# Altium PCB qfc.PcbDoc (part 5 of 13) (continued)
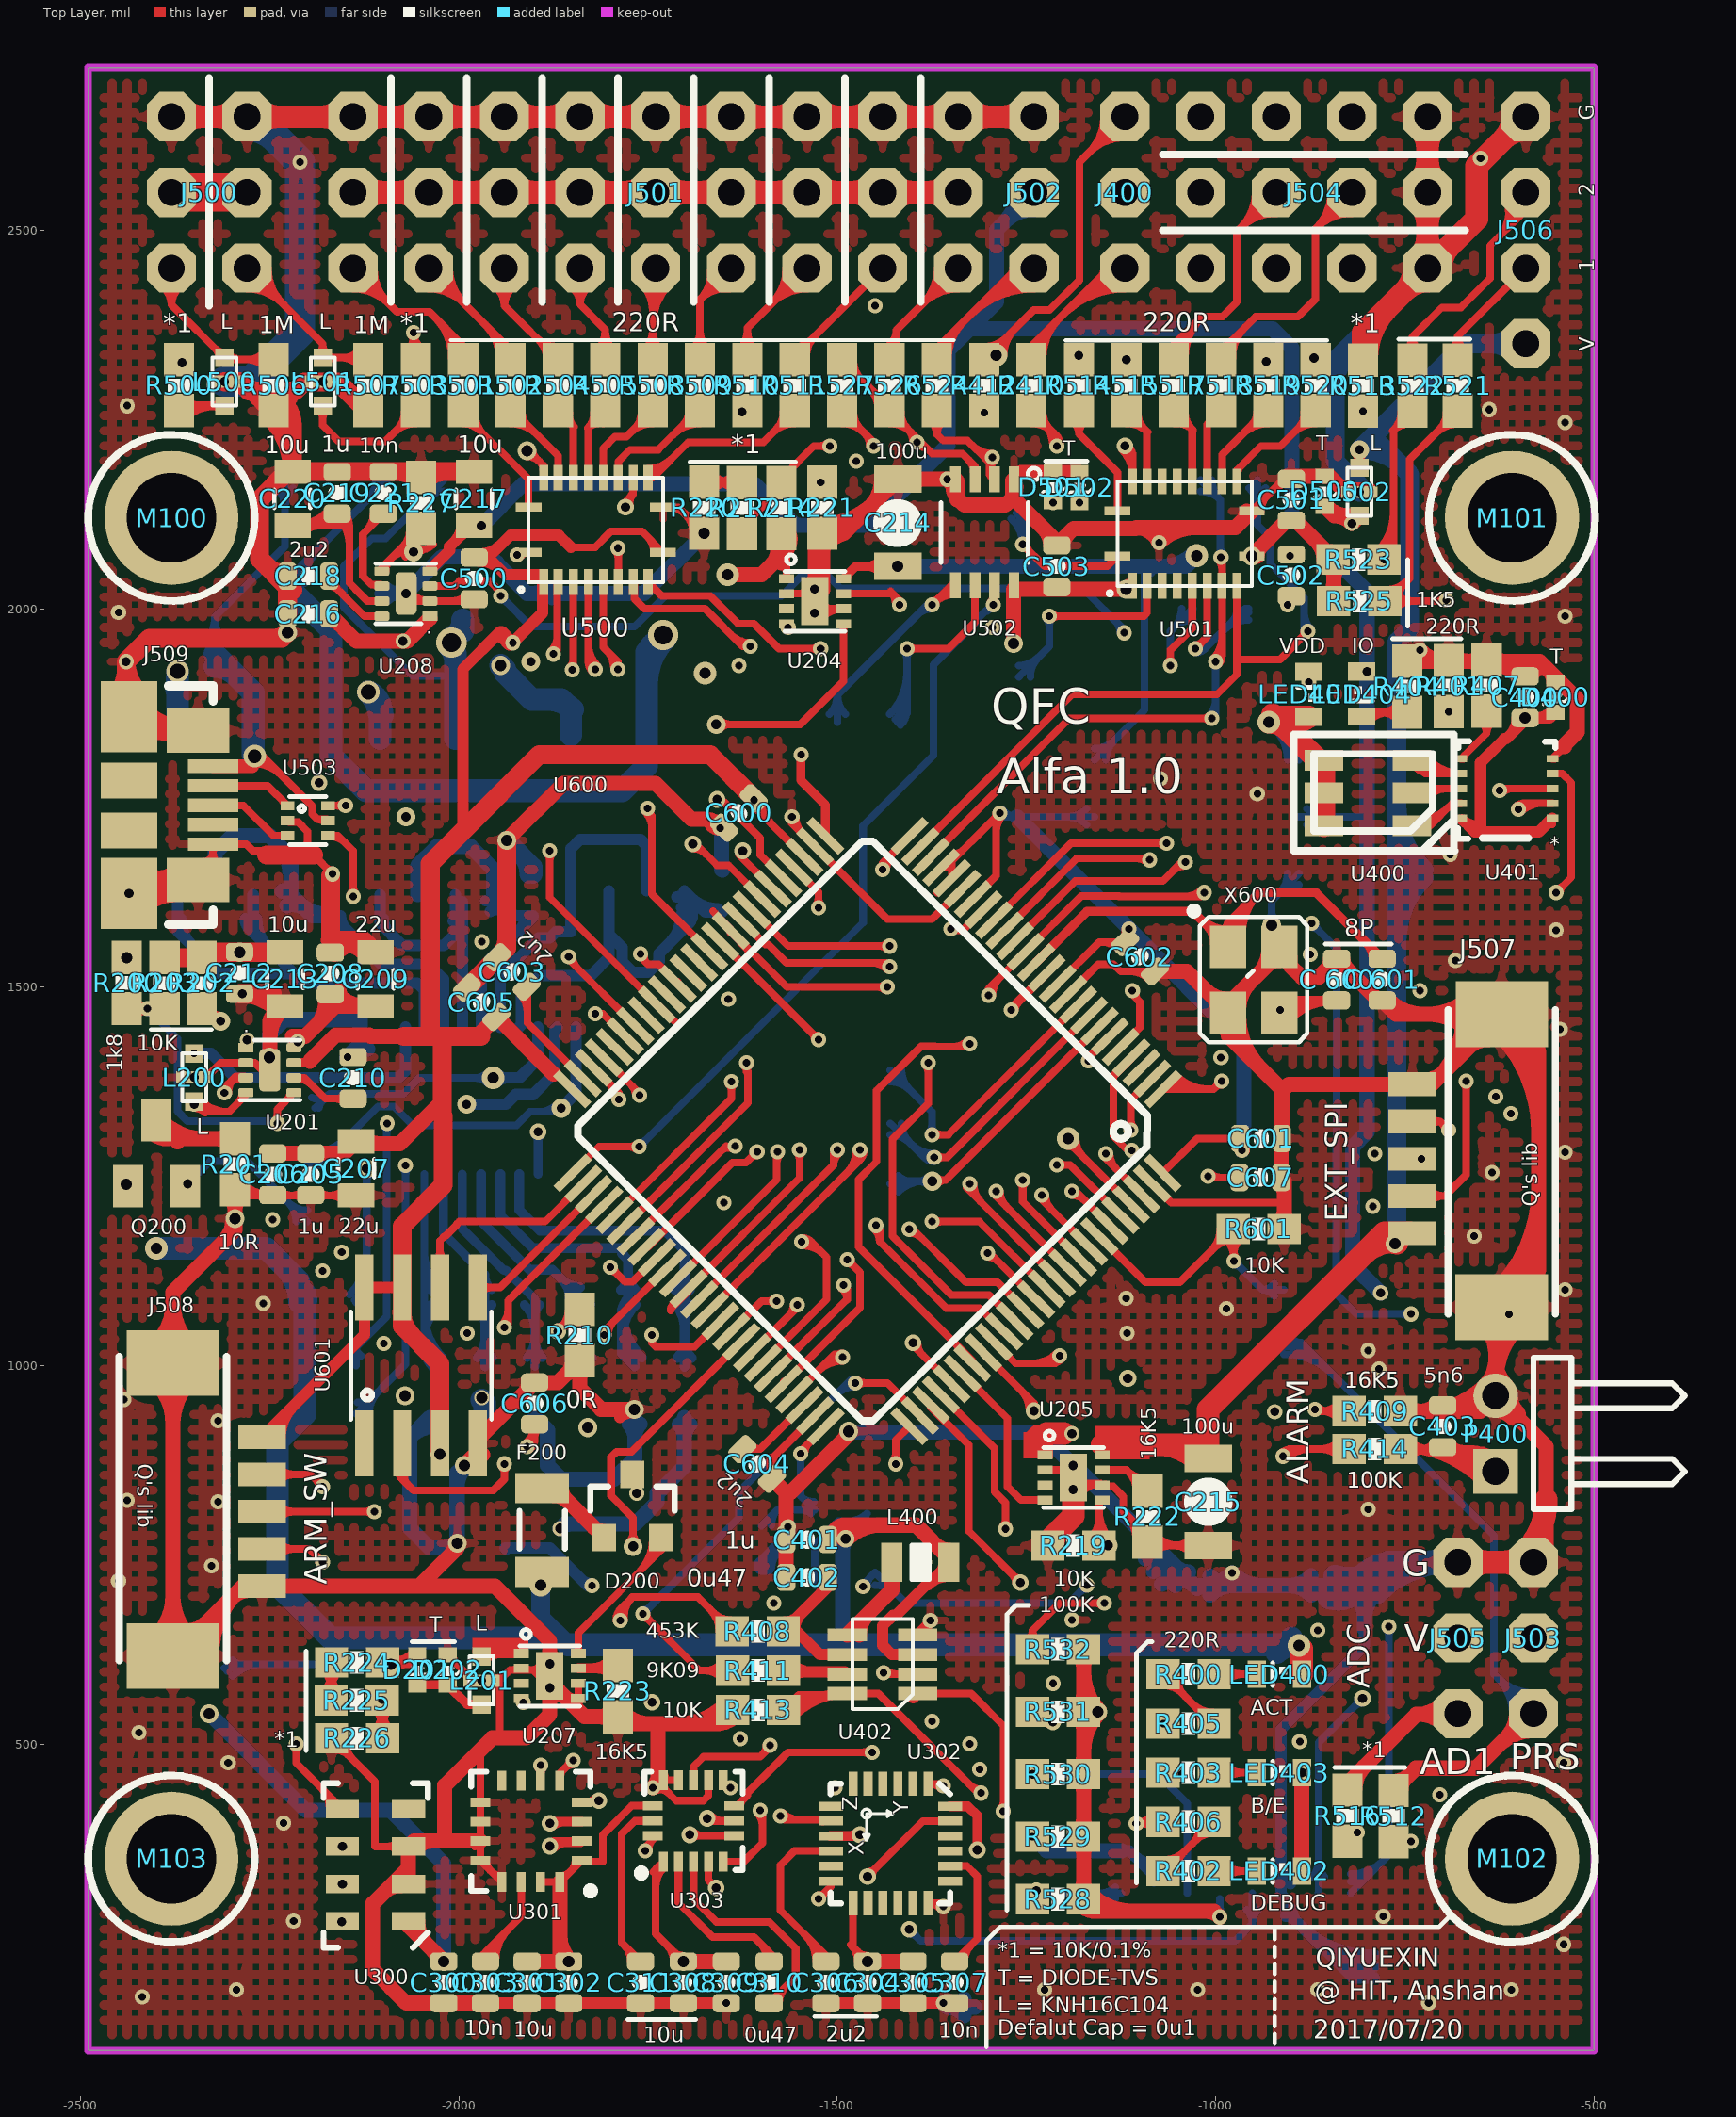
[diagram p0: Top Layer view]
## Nets (pads, with @x,y where several pads share a name; then routed paths per layer and width w, separated by ;. In a path a pad name is that pad's centre, name@x,y a point inside that pad or via, vN(x,y) a via of type N, cw(c..) or ccw(c..) an arc to the next point about the centre after c; other vN are vias at no path point) (continued)
cw(c-916,1512.56) X600.4@-916,1535.31 ; X600.4@-932.08,1528.65 cw(c-916,1512.56) X600.4@-916,1535.31 ; v3(-926,1582) ccw(c-915.3,1582) X600.4@-915.6,1571.3 ; v3(-926,1582) ccw(c-915.3,1582) X600.4@-915.6,1571.3 ; v3(-926,1582) ccw(c-915.3,1582) X600.4@-915.6,1571.3 ; v3(-926,1582) ccw(c-915.3,1582) X600.4@-915.6,1571.3 ; v3(-926,1582) -926,1563.31 X600.4@-916,1553.31 ; R601.1@-916.59,1187.39 ccw(c-933.66,1204.46) -909.52,1204.46 ; R601.1@-916.59,1187.39 ccw(c-933.66,1204.46) -909.52,1204.46 ; R601.1@-916.59,1187.39 ccw(c-933.66,1204.46) -909.52,1204.46 ; R601.1@-916.59,1187.39 ccw(c-933.66,1204.46) -909.52,1204.46 ; C607.P$1@-914.84,1240.9 cw(c-927.68,1228.06) -909.52,1228.06 ; C607.P$1@-914.84,1240.9 cw(c-927.68,1228.06) -909.52,1228.06 ; C607.P$1@-914.84,1240.9 cw(c-927.68,1228.06) -909.52,1228.06 ; C607.P$1@-914.84,1240.9 cw(c-927.68,1228.06) -909.52,1228.06 ; -912.44,1362.44 -903.3,1371.57 J507.5@-740,1371.57 -714.41,1371.57 J507.GND@-621.89,1464.09 ; -909.52,1204.46 ccw(c-885.38,1204.46) R601.1@-902.45,1187.39 ; -909.52,1204.46 ccw(c-885.38,1204.46) R601.1@-902.45,1187.39 ; -909.52,1204.46 ccw(c-885.38,1204.46) R601.1@-902.45,1187.39 ; -909.52,1204.46 ccw(c-885.38,1204.46) R601.1@-902.45,1187.39 ; C501.P$2@-892.59,2170.15 cw(c-880.87,2158.43) -880.87,2175 ; C501.P$2@-892.59,2170.15 cw(c-880.87,2158.43) -880.87,2175 ; C501.P$2@-892.59,2170.15 cw(c-880.87,2158.43) -880.87,2175 ; C501.P$2@-892.59,2170.15 cw(c-880.87,2158.43) -880.87,2175 ; -854.18,1522.63 ccw(c-869.11,1537.56) -848,1537.56 ; -854.18,1522.63 ccw(c-869.11,1537.56) -848,1537.56 ; -854.18,1522.63 ccw(c-869.11,1537.56) -848,1537.56 ; -854.18,1522.63 ccw(c-869.11,1537.56) -848,1537.56 ; -832,1537.56 ccw(c-812.69,1537.56) -826.34,1523.9 ; -832,1537.56 ccw(c-812.69,1537.56) -826.34,1523.9 ; -832,1537.56 ccw(c-812.69,1537.56) -826.34,1523.9 ; -832,1537.56 ccw(c-812.69,1537.56) -826.34,1523.9 ; -772.59,1483.86 ccw(c-724.88,1531.56) -724.88,1464.09 ; -772.59,1483.86 ccw(c-724.88,1531.56) -724.88,1464.09 ; -772.59,1483.86 ccw(c-724.88,1531.56) -724.88,1464.09 ; -772.59,1483.86 ccw(c-724.88,1531.56) -724.88,1464.09 ; -772,1482.44 ccw(c-752.69,1482.44) -766.34,1468.78 ; -772,1482.44 ccw(c-752.69,1482.44) -766.34,1468.78 ; -772,1482.44 ccw(c-752.69,1482.44) -766.34,1468.78 ; -772,1482.44 ccw(c-752.69,1482.44) -766.34,1468.78 ; R404.1@-747,1930.46 ccw(c-747,1947.67) v1(-730,1945) ; R404.1@-747,1930.46 ccw(c-747,1947.67) v1(-730,1945) ; R404.1@-747,1930.46 ccw(c-747,1947.67) v1(-730,1945) ; R404.1@-747,1930.46 ccw(c-747,1947.67) v1(-730,1945) ; R409.2@-746.93,932.61 cw(c-729.86,915.54) -729.86,939.69 ; R409.2@-746.93,932.61 cw(c-729.86,915.54) -729.86,939.69 ; R409.2@-746.93,932.61 cw(c-729.86,915.54) -729.86,939.69 ; R409.2@-746.93,932.61 cw(c-729.86,915.54) -729.86,939.69 ; R409.2@-746.93,946.76 ccw(c-729.86,963.83) -729.86,939.69 ; R409.2@-746.93,946.76 ccw(c-729.86,963.83) -729.86,939.69 ; R409.2@-746.93,946.76 ccw(c-729.86,963.83) -729.86,939.69 ; R409.2@-746.93,946.76 ccw(c-729.86,963.83) -729.86,939.69 ; R404.1@-739.93,1923.39 cw(c-722.86,1906.32) -722.86,1930.46 ; R404.1@-739.93,1923.39 cw(c-722.86,1906.32) -722.86,1930.46 ; R404.1@-739.93,1923.39 cw(c-722.86,1906.32) -722.86,1930.46 ; R404.1@-739.93,1923.39 cw(c-722.86,1906.32) -722.86,1930.46 ; R404.1@-739.93,1937.53 ccw(c-722.86,1954.61) -722.86,1930.46 ; R404.1@-739.93,1937.53 ccw(c-722.86,1954.61) -722.86,1930.46 ; R404.1@-739.93,1937.53 ccw(c-722.86,1954.61) -722.86,1930.46 ; R404.1@-739.93,1937.53 ccw(c-722.86,1954.61) -722.86,1930.46 ; v1(-730,1945) ccw(c-694.9,1980.1) R401.1@-694.9,1930.46 ; v1(-730,1945) ccw(c-694.9,1980.1) R401.1@-694.9,1930.46 ; v1(-730,1945) ccw(c-694.9,1980.1) R401.1@-694.9,1930.46 ; v1(-730,1945) ccw(c-694.9,1980.1) R401.1@-694.9,1930.46 ; -729.08,939.69 ccw(c-729.08,970.33) C403.P$2@-707.41,948.66 ; -729.08,939.69 ccw(c-729.08,970.33) C403.P$2@-707.41,948.66 ; -729.08,939.69 ccw(c-729.08,970.33) C403.P$2@-707.41,948.66 ; -729.08,939.69 ccw(c-729.08,970.33) C403.P$2@-707.41,948.66 ; -726.19,939.69 ccw(c-726.19,1056.19) P400.2@-643.81,973.81 ; -726.19,939.69 ccw(c-726.19,1056.19) P400.2@-643.81,973.81 ; -726.19,939.69 ccw(c-726.19,1056.19) P400.2@-643.81,973.81 ; -726.19,939.69 ccw(c-726.19,1056.19) P400.2@-643.81,973.81 ; J507.5@-724.25,1377.32 ccw(c-724.25,1414.96) -697.64,1388.35 ; J507.5@-724.25,1377.32 ccw(c-724.25,1414.96) -697.64,1388.35 ; J507.5@-724.25,1377.32 ccw(c-724.25,1414.96) -697.64,1388.35 ; J507.5@-724.25,1377.32 ccw(c-724.25,1414.96) -697.64,1388.35 ; -720.02,1464.09 cw(c-720.02,1383.68) J507.GND@-663.16,1440.54 ; -720.02,1464.09 ccw(c-720.02,1544.51) J507.GND@-663.16,1487.65 ; -720.02,1464.09 cw(c-720.02,1383.68) J507.GND@-663.16,1440.54 ; -720.02,1464.09 ccw(c-720.02,1544.51) J507.GND@-663.16,1487.65 ; -720.02,1464.09 cw(c-720.02,1383.68) J507.GND@-663.16,1440.54 ; -720.02,1464.09 ccw(c-720.02,1544.51) J507.GND@-663.16,1487.65 ; -720.02,1464.09 cw(c-720.02,1383.68) J507.GND@-663.16,1440.54 ; -720.02,1464.09 ccw(c-720.02,1544.51) J507.GND@-663.16,1487.65 ; -718.56,1930.46 ccw(c-718.56,1958.02) R401.1@-699.07,1938.53 ; -718.56,1930.46 ccw(c-718.56,1958.02) R401.1@-699.07,1938.53 ; -718.56,1930.46 ccw(c-718.56,1958.02) R401.1@-699.07,1938.53 ; -718.56,1930.46 ccw(c-718.56,1958.02) R401.1@-699.07,1938.53 ; -713.73,1930.46 cw(c-713.73,1909.74) R401.1@-699.07,1924.39 ; -713.73,1930.46 cw(c-713.73,1909.74) R401.1@-699.07,1924.39 ; -713.73,1930.46 cw(c-713.73,1909.74) R401.1@-699.07,1924.39 ; -713.73,1930.46 cw(c-713.73,1909.74) R401.1@-699.07,1924.39 ; -705.55,1380.44 ccw(c-784.52,1459.41) J507.GND@-672.9,1463.02 ; -705.55,1380.44 ccw(c-784.52,1459.41) J507.GND@-672.9,1463.02 ; -705.55,1380.44 ccw(c-784.52,1459.41) J507.GND@-672.9,1463.02 ; -705.55,1380.44 ccw(c-784.52,1459.41) J507.GND@-672.9,1463.02 ; C403.P$2@-692.58,948.66 ccw(c-670.92,970.33) -670.92,939.69 ; C403.P$2@-692.58,948.66 ccw(c-670.92,970.33) -670.92,939.69 ; C403.P$2@-692.58,948.66 ccw(c-670.92,970.33) -670.92,939.69 ; C403.P$2@-692.58,948.66 ccw(c-670.92,970.33) -670.92,939.69 ; R401.1@-684.93,1924.39 cw(c-670.27,1909.74) -670.27,1930.46 ; R401.1@-684.93,1924.39 cw(c-670.27,1909.74) -670.27,1930.46 ; R401.1@-684.93,1924.39 cw(c-670.27,1909.74) -670.27,1930.46 ; R401.1@-684.93,1924.39 cw(c-670.27,1909.74) -670.27,1930.46 ; R401.1@-684.93,1938.53 ccw(c-665.44,1958.02) -665.44,1930.46 ; R401.1@-684.93,1938.53 ccw(c-665.44,1958.02) -665.44,1930.46 ; R401.1@-684.93,1938.53 ccw(c-665.44,1958.02) -665.44,1930.46 ; R401.1@-684.93,1938.53 ccw(c-665.44,1958.02) -665.44,1930.46 ; -677.9,939.69 ccw(c-677.9,1007.9) P400.2@-629.67,959.67 ; -677.9,939.69 ccw(c-677.9,1007.9) P400.2@-629.67,959.67 ; -677.9,939.69 ccw(c-677.9,1007.9) P400.2@-629.67,959.67 ; -677.9,939.69 ccw(c-677.9,1007.9) P400.2@-629.67,959.67 ; -672.91,1413.08 ccw(c-721.29,1461.45) J507.GND@-652.91,1463.66 ; -672.91,1413.08 ccw(c-721.29,1461.45) J507.GND@-652.91,1463.66 ; -672.91,1413.08 ccw(c-721.29,1461.45) J507.GND@-652.91,1463.66 ; -672.91,1413.08 ccw(c-721.29,1461.45) J507.GND@-652.91,1463.66 ; -667.26,1930.46 cw(c-667.26,1904.74) R407.2@-649.07,1922.93 ; -667.26,1930.46 cw(c-667.26,1904.74) R407.2@-649.07,1922.93 ; -667.26,1930.46 cw(c-667.26,1904.74) R407.2@-649.07,1922.93 ; -667.26,1930.46 cw(c-667.26,1904.74) R407.2@-649.07,1922.93 ; -666.22,1419.76 cw(c-639.61,1393.15) J507.GND@-639.61,1430.79 ; -666.22,1419.76 cw(c-639.61,1393.15) J507.GND@-639.61,1430.79 ; -666.22,1419.76 cw(c-639.61,1393.15) J507.GND@-639.61,1430.79 ; -666.22,1419.76 cw(c-639.61,1393.15) J507.GND@-639.61,1430.79 ; -665.02,1930.46 ccw(c-665.02,1953.02) R407.2@-649.07,1937.07 ; -665.02,1930.46 ccw(c-665.02,1953.02) R407.2@-649.07,1937.07 ; -665.02,1930.46 ccw(c-665.02,1953.02) R407.2@-649.07,1937.07 ; -665.02,1930.46 ccw(c-665.02,1953.02) R407.2@-649.07,1937.07 ; R407.2@-649.88,1930.46 cw(c-649.88,1857.68) C400.P$2@-598.41,1909.15 ; R407.2@-649.88,1930.46 cw(c-649.88,1857.68) C400.P$2@-598.41,1909.15 ; R407.2@-649.88,1930.46 cw(c-649.88,1857.68) C400.P$2@-598.41,1909.15 ; R407.2@-649.88,1930.46 cw(c-649.88,1857.68) C400.P$2@-598.41,1909.15 ; J507.GND@-645.55,1053.44 cw(c-683.09,1015.9) -630,1015.9 ; J507.GND@-645.55,1053.44 cw(c-683.09,1015.9) -630,1015.9 ; J507.GND@-645.55,1053.44 cw(c-683.09,1015.9) -630,1015.9 ; J507.GND@-645.55,1053.44 cw(c-683.09,1015.9) -630,1015.9 ; P400.2@-643.81,973.81 ccw(c-677.14,1007.14) -630,1007.14 ; P400.2@-643.81,973.81 ccw(c-677.14,1007.14) -630,1007.14 ; P400.2@-643.81,973.81 ccw(c-677.14,1007.14) -630,1007.14 ; P400.2@-643.81,973.81 ccw(c-677.14,1007.14) -630,1007.14 ; R407.2@-634.93,1922.93 cw(c-616.74,1904.74) -616.74,1930.46 ; R407.2@-634.93,1922.93 cw(c-616.74,1904.74) -616.74,1930.46 ; R407.2@-634.93,1922.93 cw(c-616.74,1904.74) -616.74,1930.46 ; R407.2@-634.93,1922.93 cw(c-616.74,1904.74) -616.74,1930.46 ; R407.2@-634.93,1937.07 ccw(c-618.98,1953.02) -618.98,1930.46 ; R407.2@-634.93,1937.07 ccw(c-618.98,1953.02) -618.98,1930.46 ; R407.2@-634.93,1937.07 ccw(c-618.98,1953.02) -618.98,1930.46 ; R407.2@-634.93,1937.07 ccw(c-618.98,1953.02) -618.98,1930.46 ; P400.2@-630,940.47 cw(c-630,893.33) -596.67,926.66 ; P400.2@-630,940.47 cw(c-630,893.33) -596.67,926.66 ; P400.2@-630,940.47 cw(c-630,893.33) -596.67,926.66 ; P400.2@-630,940.47 cw(c-630,893.33) -596.67,926.66 ; P400.2@-630,977.27 cw(c-522.27,977.27) J507.GND@-598.45,1053.44 ; P400.2@-630,977.27 cw(c-522.27,977.27) J507.GND@-598.45,1053.44 ; P400.2@-630,977.27 cw(c-522.27,977.27) J507.GND@-598.45,1053.44 ; P400.2@-630,977.27 cw(c-522.27,977.27) J507.GND@-598.45,1053.44 ; -630,1007.14 ccw(c-582.86,1007.14) P400.2@-616.19,973.81 ; -630,1007.14 ccw(c-582.86,1007.14) P400.2@-616.19,973.81 ; -630,1007.14 ccw(c-582.86,1007.14) P400.2@-616.19,973.81 ; -630,1007.14 ccw(c-582.86,1007.14) P400.2@-616.19,973.81 ; -630,1025.55 cw(c-570.56,1025.55) v1(-612.59,1067.58) ; -630,1025.55 cw(c-570.56,1025.55) v1(-612.59,1067.58) ; -630,1025.55 cw(c-570.56,1025.55) v1(-612.59,1067.58) ; -630,1025.55 cw(c-570.56,1025.55) v1(-612.59,1067.58) ; -630,1025.55 cw(c-570.56,1025.55) v1(-612.59,1067.58) ; J507.GND@-627.84,1100.54 ccw(c-760.22,1232.93) -573,1232.93 ; J507.GND@-627.84,1100.54 ccw(c-760.22,1232.93) -573,1232.93 ; J507.GND@-627.84,1100.54 ccw(c-760.22,1232.93) -573,1232.93 ; J507.GND@-627.84,1100.54 ccw(c-760.22,1232.93) -573,1232.93 ; J507.GND@-627.73,1440.54 cw(c-759.84,1308.43) -573,1308.43 ; J507.GND@-627.73,1440.54 cw(c-759.84,1308.43) -573,1308.43 ; J507.GND@-627.73,1440.54 cw(c-759.84,1308.43) -573,1308.43 ; J507.GND@-627.73,1440.54 cw(c-759.84,1308.43) -573,1308.43 ; J507.GND@-613.69,1086.4 ccw(c-711.93,1184.64) -573,1184.64 ; J507.GND@-613.69,1086.4 ccw(c-711.93,1184.64) -573,1184.64 ; J507.GND@-613.69,1086.4 ccw(c-711.93,1184.64) -573,1184.64 ; J507.GND@-613.69,1086.4 ccw(c-711.93,1184.64) -573,1184.64 ; J507.GND@-613.58,1454.69 cw(c-711.56,1356.71) -573,1356.71 ; J507.GND@-613.58,1454.69 cw(c-711.56,1356.71) -573,1356.71 ; J507.GND@-613.58,1454.69 cw(c-711.56,1356.71) -573,1356.71 ; J507.GND@-613.58,1454.69 cw(c-711.56,1356.71) -573,1356.71 ; P400.2@-610.47,960 ccw(c-563.33,960) -596.67,926.66 ; P400.2@-610.47,960 ccw(c-563.33,960) -596.67,926.66 ; P400.2@-610.47,960 ccw(c-563.33,960) -596.67,926.66 ; P400.2@-610.47,960 ccw(c-563.33,960) -596.67,926.66 ; J507.GND@-601,1430.94 cw(c-598.72,1407.2) J507.GND@-581.86,1424.06 ; J507.GND@-601,1430.94 cw(c-598.72,1407.2) J507.GND@-581.86,1424.06 ; J507.GND@-601,1430.94 cw(c-598.72,1407.2) J507.GND@-581.86,1424.06 ; J507.GND@-601,1430.94 cw(c-598.72,1407.2) J507.GND@-581.86,1424.06 ; J507.GND@-599.55,1072.26 ccw(c-663.65,1136.36) -573,1136.36 ; J507.GND@-599.55,1072.26 ccw(c-663.65,1136.36) -573,1136.36 ; J507.GND@-599.55,1072.26 ccw(c-663.65,1136.36) -573,1136.36 ; J507.GND@-599.55,1072.26 ccw(c-663.65,1136.36) -573,1136.36 ; J507.GND@-599.44,1468.83 cw(c-663.27,1404.99) -573,1404.99 ; J507.GND@-599.44,1468.83 cw(c-663.27,1404.99) -573,1404.99 ; J507.GND@-599.44,1468.83 cw(c-663.27,1404.99) -573,1404.99 ; J507.GND@-599.44,1468.83 cw(c-663.27,1404.99) -573,1404.99 ; J503.GND@-595.91,755.91 ccw(c-675.36,835.36) -563,835.36 ; J503.GND@-595.91,755.91 ccw(c-675.36,835.36) -563,835.36 ; J503.GND@-595.91,755.91 ccw(c-675.36,835.36) -563,835.36 ; J503.GND@-595.91,755.91 ccw(c-675.36,835.36) -563,835.36 ; J503.GND@-581.77,741.77 ccw(c-627.08,787.08) -563,787.08 ; J503.GND@-581.77,741.77 ccw(c-627.08,787.08) -563,787.08 ; J503.GND@-581.77,741.77 ccw(c-627.08,787.08) -563,787.08 ; J503.GND@-581.77,741.77 ccw(c-627.08,787.08) -563,787.08 ; -558.91,1917.27 cw(c-573.18,1903) D400.A@-553,1903 ; -558.91,1917.27 cw(c-573.18,1903) D400.A@-553,1903 ; -558.91,1917.27 cw(c-573.18,1903) D400.A@-553,1903 ; -558.91,1917.27 cw(c-573.18,1903) D400.A@-553,1903
  Top Layer w25: J509.GND3@-2361.43,1641.57 -2418.28,1641.57 v4(-2436,1623.86) ; J509.GND2@-2345,1839 -2418,1839 -2440,1861 v4(-2440,1930) ; C212.P$2@-2290,1491.18 v4(-2286.18,1491.18) -2246.61,1491.18 ; -2254.15,1674.5 -2192.17,1674.5 ; v3@-2234,1961 -2409,1961 v4(-2440,1930) ; C216.P$2@-2226.56,1993 -2226.56,2028.56 -2263.5,2065.5 -2263.5,2144.5 -2227,2181 C220.2@-2220,2181 ; -2170,1562 -2169.5,1562 ; v1@-2169.5,1646.82 -2169.5,1562 ; R507.1@-2119.63,2261.54 -2121.96,2261.54 -2159.92,2299.5 -2204.74,2299.5 -2216.74,2287.5 -2272.89,2287.5 ; C209.2@-2110.44,1545.56 -2126.88,1562 ; C605.P$2@-1989.49,1499.49 -1988.79,1499.49 -1937,1551.28 v3(-1937,1694) ; C217.2@-1980,2181 C220.2@-2220,2181 ; J509.GND1@-2453.68,1884.18 ccw(c-2486.7,1917.2) -2440,1917.2 ; J509.GND1@-2453.68,1884.18 ccw(c-2486.7,1917.2) -2440,1917.2 ; J509.GND1@-2453.68,1884.18 ccw(c-2486.7,1917.2) -2440,1917.2 ; J509.GND1@-2453.68,1884.18 ccw(c-2486.7,1917.2) -2440,1917.2 ; v4(-2440,1930) ccw(c-2380.99,1930) J509.GND1@-2419.63,1885.39 ; v4(-2440,1930) ccw(c-2380.99,1930) J509.GND1@-2419.63,1885.39 ; v4(-2440,1930) ccw(c-2380.99,1930) J509.GND1@-2419.63,1885.39 ; v4(-2440,1930) ccw(c-2380.99,1930) J509.GND1@-2419.63,1885.39 ; v4(-2436,1623.86) ccw(c-2436,1714.09) J509.GND3@-2369.52,1653.07 ; v4(-2436,1623.86) ccw(c-2436,1714.09) J509.GND3@-2369.52,1653.07 ; v4(-2436,1623.86) ccw(c-2436,1714.09) J509.GND3@-2369.52,1653.07 ; v4(-2436,1623.86) ccw(c-2436,1714.09) J509.GND3@-2369.52,1653.07 ; v4(-2436,1623.86) J509.GND3@-2379.14,1623.86 ; J509.GND4@-2418.32,1651.04 ccw(c-2395.48,1673.88) -2395.48,1641.57 ; J509.GND4@-2418.32,1651.04 ccw(c-2395.48,1673.88) -2395.48,1641.57 ; J509.GND4@-2418.32,1651.04 ccw(c-2395.48,1673.88) -2395.48,1641.57 ; J509.GND4@-2418.32,1651.04 ccw(c-2395.48,1673.88) -2395.48,1641.57 ; J509.GND1@-2418.32,1829.82 cw(c-2396.17,1807.67) -2396.17,1839 ; J509.GND1@-2418.32,1829.82 cw(c-2396.17,1807.67) -2396.17,1839 ; J509.GND1@-2418.32,1829.82 cw(c-2396.17,1807.67) -2396.17,1839 ; J509.GND1@-2418.32,1829.82 cw(c-2396.17,1807.67) -2396.17,1839 ; J509.GND1@-2418.32,1865.18 ccw(c-2355.12,1928.38) J509.GND2@-2355.12,1839 ; J509.GND1@-2418.32,1865.18 ccw(c-2355.12,1928.38) J509.GND2@-2355.12,1839 ; J509.GND1@-2418.32,1865.18 ccw(c-2355.12,1928.38) J509.GND2@-2355.12,1839 ; J509.GND1@-2418.32,1865.18 ccw(c-2355.12,1928.38) J509.GND2@-2355.12,1839 ; J509.GND4@-2417.58,1606.96 cw(c-2379.15,1571.71) J509.GND3@-2379.15,1623.86 ; J509.GND4@-2417.58,1606.96 cw(c-2379.15,1571.71) J509.GND3@-2379.15,1623.86 ; J509.GND4@-2417.58,1606.96 cw(c-2379.15,1571.71) J509.GND3@-2379.15,1623.86 ; J509.GND4@-2417.58,1606.96 cw(c-2379.15,1571.71) J509.GND3@-2379.15,1623.86 ; J509.GND4@-2417.58,1640.76 ccw(c-2379.15,1676.01) J509.GND3@-2379.15,1623.86 ; J509.GND4@-2417.58,1640.76 ccw(c-2379.15,1676.01) J509.GND3@-2379.15,1623.86 ; J509.GND4@-2417.58,1640.76 ccw(c-2379.15,1676.01) J509.GND3@-2379.15,1623.86 ; J509.GND4@-2417.58,1640.76 ccw(c-2379.15,1676.01) J509.GND3@-2379.15,1623.86 ; J509.GND4@-2417.42,1616.64 cw(c-2361.43,1566.26) J509.GND3@-2361.43,1641.57 ; J509.GND4@-2417.42,1616.64 cw(c-2361.43,1566.26) J509.GND3@-2361.43,1641.57 ; J509.GND4@-2417.42,1616.64 cw(c-2361.43,1566.26) J509.GND3@-2361.43,1641.57 ; J509.GND4@-2417.42,1616.64 cw(c-2361.43,1566.26) J509.GND3@-2361.43,1641.57 ; -2398.04,1641.57 cw(c-2398.04,1600.53) J509.GND3@-2369.02,1629.55 ; -2398.04,1641.57 ccw(c-2398.04,1682.62) J509.GND3@-2369.02,1653.59 ; -2398.04,1641.57 cw(c-2398.04,1600.53) J509.GND3@-2369.02,1629.55 ; -2398.04,1641.57 ccw(c-2398.04,1682.62) J509.GND3@-2369.02,1653.59 ; -2398.04,1641.57 cw(c-2398.04,1600.53) J509.GND3@-2369.02,1629.55 ; -2398.04,1641.57 ccw(c-2398.04,1682.62) J509.GND3@-2369.02,1653.59 ; -2398.04,1641.57 cw(c-2398.04,1600.53) J509.GND3@-2369.02,1629.55 ; -2398.04,1641.57 ccw(c-2398.04,1682.62) J509.GND3@-2369.02,1653.59 ; -2398.04,1839 cw(c-2398.04,1797.96) J509.GND2@-2369.02,1826.98 ; -2398.04,1839 ccw(c-2398.04,1880.04) J509.GND2@-2369.02,1851.02 ; -2398.04,1839 cw(c-2398.04,1797.96) J509.GND2@-2369.02,1826.98 ; -2398.04,1839 ccw(c-2398.04,1880.04) J509.GND2@-2369.02,1851.02 ; -2398.04,1839 cw(c-2398.04,1797.96) J509.GND2@-2369.02,1826.98 ; -2398.04,1839 ccw(c-2398.04,1880.04) J509.GND2@-2369.02,1851.02 ; -2398.04,1839 cw(c-2398.04,1797.96) J509.GND2@-2369.02,1826.98 ; -2398.04,1839 ccw(c-2398.04,1880.04) J509.GND2@-2369.02,1851.02 ; L500.GND@-2289.92,2299.5 -2290.42,2300 L500.GND@-2310,2300 -2309.5,2299.5 L500.GND@-2289.92,2299.5 ; L500.GND@-2289.92,2299.5 -2277.92,2287.5 ; L500.GND@-2289.92,2299.5 -2284.89,2299.5 -2272.89,2287.5 ; v4(-2286.18,1491.18) cw(c-2286.18,1426.92) C213.2@-2240.49,1472.1 ; v4(-2286.18,1491.18) cw(c-2286.18,1426.92) C213.2@-2240.49,1472.1 ; v4(-2286.18,1491.18) cw(c-2286.18,1426.92) C213.2@-2240.49,1472.1 ; v4(-2286.18,1491.18) cw(c-2286.18,1426.92) C213.2@-2240.49,1472.1 ; -2277.92,2287.5 cw(c-2277.92,2261.85) R506.1@-2252.31,2263.16 ; -2277.92,2287.5 cw(c-2277.92,2261.85) R506.1@-2252.31,2263.16 ; -2277.92,2287.5 cw(c-2277.92,2261.85) R506.1@-2252.31,2263.16 ; -2277.92,2287.5 cw(c-2277.92,2261.85) R506.1@-2252.31,2263.16 ; -2277.92,2287.5 -2272.89,2287.5 ; -2272.89,2287.5 -2246.93,2261.54 R506.1@-2244.82,2261.54 -2220,2236.72 C220.2@-2220,2181 ; R506.1@-2264.64,2279.25 ccw(c-2244.82,2299.07) R506.1@-2244.82,2271.04 ; R506.1@-2264.64,2279.25 ccw(c-2244.82,2299.07) R506.1@-2244.82,2271.04 ; R506.1@-2264.64,2279.25 ccw(c-2244.82,2299.07) R506.1@-2244.82,2271.04 ; R506.1@-2264.64,2279.25 ccw(c-2244.82,2299.07) R506.1@-2244.82,2271.04 ; R506.1@-2264.64,2279.25 ccw(c-2244.82,2299.07) R506.1@-2244.82,2271.04 ; R506.1@-2264.64,2279.25 ccw(c-2244.82,2299.07) R506.1@-2244.82,2271.04 ; R506.1@-2264.64,2279.25 ccw(c-2244.82,2299.07) R506.1@-2244.82,2271.04 ; R506.1@-2264.64,2279.25 ccw(c-2244.82,2299.07) R506.1@-2244.82,2271.04 ; R506.1@-2264.64,2279.25 ccw(c-2244.82,2299.07) R506.1@-2244.82,2271.04 ; R506.1@-2264.64,2279.25 ccw(c-2244.82,2299.07) R506.1@-2244.82,2271.04 ; R506.1@-2264.64,2279.25 ccw(c-2244.82,2299.07) R506.1@-2244.82,2271.04 ; R506.1@-2264.64,2279.25 ccw(c-2244.82,2299.07) R506.1@-2244.82,2271.04 ; -2253.28,2055.28 ccw(c-2234.2,2074.36) C218.P$2@-2226.42,2048.52 ; -2253.28,2055.28 ccw(c-2234.2,2074.36) C218.P$2@-2226.42,2048.52 ; -2253.28,2055.28 ccw(c-2234.2,2074.36) C218.P$2@-2226.42,2048.52 ; -2253.28,2055.28 ccw(c-2234.2,2074.36) C218.P$2@-2226.42,2048.52 ; R506.1@-2250.12,2254.23 cw(c-2322.83,2181.52) C220.2@-2220,2181.52 ; R506.1@-2250.12,2254.23 cw(c-2322.83,2181.52) C220.2@-2220,2181.52 ; R506.1@-2250.12,2254.23 cw(c-2322.83,2181.52) C220.2@-2220,2181.52 ; R506.1@-2250.12,2254.23 cw(c-2322.83,2181.52) C220.2@-2220,2181.52 ; R506.1@-2245.13,2252.04 cw(c-2246.24,2225.83) -2220,2225.83 ; R506.1@-2245.13,2252.04 cw(c-2246.24,2225.83) -2220,2225.83 ; R506.1@-2245.13,2252.04 cw(c-2246.24,2225.83) -2220,2225.83 ; R506.1@-2245.13,2252.04 cw(c-2246.24,2225.83) -2220,2225.83 ; R506.1@-2244.82,2252.04 cw(c-2244.82,2229.1) R506.1@-2228.6,2245.32 ; R506.1@-2244.82,2252.04 cw(c-2244.82,2229.1) R506.1@-2228.6,2245.32 ; R506.1@-2244.82,2252.04 cw(c-2244.82,2229.1) R506.1@-2228.6,2245.32 ; R506.1@-2244.82,2252.04 cw(c-2244.82,2229.1) R506.1@-2228.6,2245.32 ; R506.1@-2244.82,2271.04 ccw(c-2244.82,2299.07) R506.1@-2224.99,2279.25 ; R506.1@-2244.82,2271.04 ccw(c-2244.82,2299.07) R506.1@-2224.99,2279.25 ; R506.1@-2244.82,2271.04 ccw(c-2244.82,2299.07) R506.1@-2224.99,2279.25 ; R506.1@-2244.82,2271.04 ccw(c-2244.82,2299.07) R506.1@-2224.99,2279.25 ; R506.1@-2244.82,2271.04 ccw(c-2244.82,2299.07) R506.1@-2224.99,2279.25 ; R506.1@-2244.82,2271.04 ccw(c-2244.82,2299.07) R506.1@-2224.99,2279.25 ; R506.1@-2244.82,2271.04 ccw(c-2244.82,2299.07) R506.1@-2224.99,2279.25 ; R506.1@-2244.82,2271.04 ccw(c-2244.82,2299.07) R506.1@-2224.99,2279.25 ; -2244.52,1961 ccw(c-2244.52,1986.41) v3(-2226.56,1968.44) ; -2244.52,1961 ccw(c-2244.52,1986.41) v3(-2226.56,1968.44) ; -2244.52,1961 ccw(c-2244.52,1986.41) v3(-2226.56,1968.44) ; -2244.52,1961 ccw(c-2244.52,1986.41) v3(-2226.56,1968.44) ; R506.1@-2232.44,2271.91 cw(c-2262.48,2241.88) -2220,2241.88 ; R506.1@-2232.44,2271.91 cw(c-2262.48,2241.88) -2220,2241.88 ; R506.1@-2232.44,2271.91 cw(c-2262.48,2241.88) -2220,2241.88 ; R506.1@-2232.44,2271.91 cw(c-2262.48,2241.88) -2220,2241.88 ; C218.P$2@-2223.72,2025.72 ccw(c-2220.51,2028.93) -2219.2,2024.59 ; C218.P$2@-2223.72,2025.72 ccw(c-2220.51,2028.93) -2219.2,2024.59 ; C218.P$2@-2223.72,2025.72 ccw(c-2220.51,2028.93) -2219.2,2024.59 ; C218.P$2@-2223.72,2025.72 ccw(c-2220.51,2028.93) -2219.2,2024.59 ; -2169.5,1562 -2126.88,1562 ; -2165.08,1562 cw(c-2165.08,1498.92) C209.2@-2120.47,1543.52 ; -2165.08,1562 cw(c-2165.08,1498.92) C209.2@-2120.47,1543.52 ; -2165.08,1562 cw(c-2165.08,1498.92) C209.2@-2120.47,1543.52 ; -2165.08,1562 cw(c-2165.08,1498.92) C209.2@-2120.47,1543.52 ; C208.P$2@-2164.36,1545.9 cw(c-2126.88,1510.32) -2126.88,1562 ; C208.P$2@-2164.36,1545.9 cw(c-2126.88,1510.32) -2126.88,1562 ; C208.P$2@-2164.36,1545.9 cw(c-2126.88,1510.32) -2126.88,1562 ; C208.P$2@-2164.36,1545.9 cw(c-2126.88,1510.32) -2126.88,1562 ; -2139.83,2279.4 ccw(c-2119.63,2299.6) R507.1@-2119.63,2271.04 ; -2139.83,2279.4 ccw(c-2119.63,2299.6) R507.1@-2119.63,2271.04 ; -2139.83,2279.4 ccw(c-2119.63,2299.6) R507.1@-2119.63,2271.04 ; -2139.83,2279.4 ccw(c-2119.63,2299.6) R507.1@-2119.63,2271.04 ; -2081.47,2181 cw(c-2081.47,2143.99) R227.1@-2055.3,2170.16 ; -2081.47,2181 cw(c-2081.47,2143.99) R227.1@-2055.3,2170.16 ; -2081.47,2181 cw(c-2081.47,2143.99) R227.1@-2055.3,2170.16 ; -2081.47,2181 cw(c-2081.47,2143.99) R227.1@-2055.3,2170.16 ; R227.1@-2044.7,2170.16 cw(c-2018.53,2143.99) -2018.53,2181 ; R227.1@-2044.7,2170.16 cw(c-2018.53,2143.99) -2018.53,2181 ; R227.1@-2044.7,2170.16 cw(c-2018.53,2143.99) -2018.53,2181 ; R227.1@-2044.7,2170.16 cw(c-2018.53,2143.99) -2018.53,2181 ; C603.P$2@-1944.89,1543.38 ccw(c-1963.95,1562.43) -1937,1562.43 ; C603.P$2@-1944.89,1543.38 ccw(c-1963.95,1562.43) -1937,1562.43 ; C603.P$2@-1944.89,1543.38 ccw(c-1963.95,1562.43) -1937,1562.43 ; C603.P$2@-1944.89,1543.38 ccw(c-1963.95,1562.43) -1937,1562.43